# KiCad board Womo.kicad_pcb (continued)
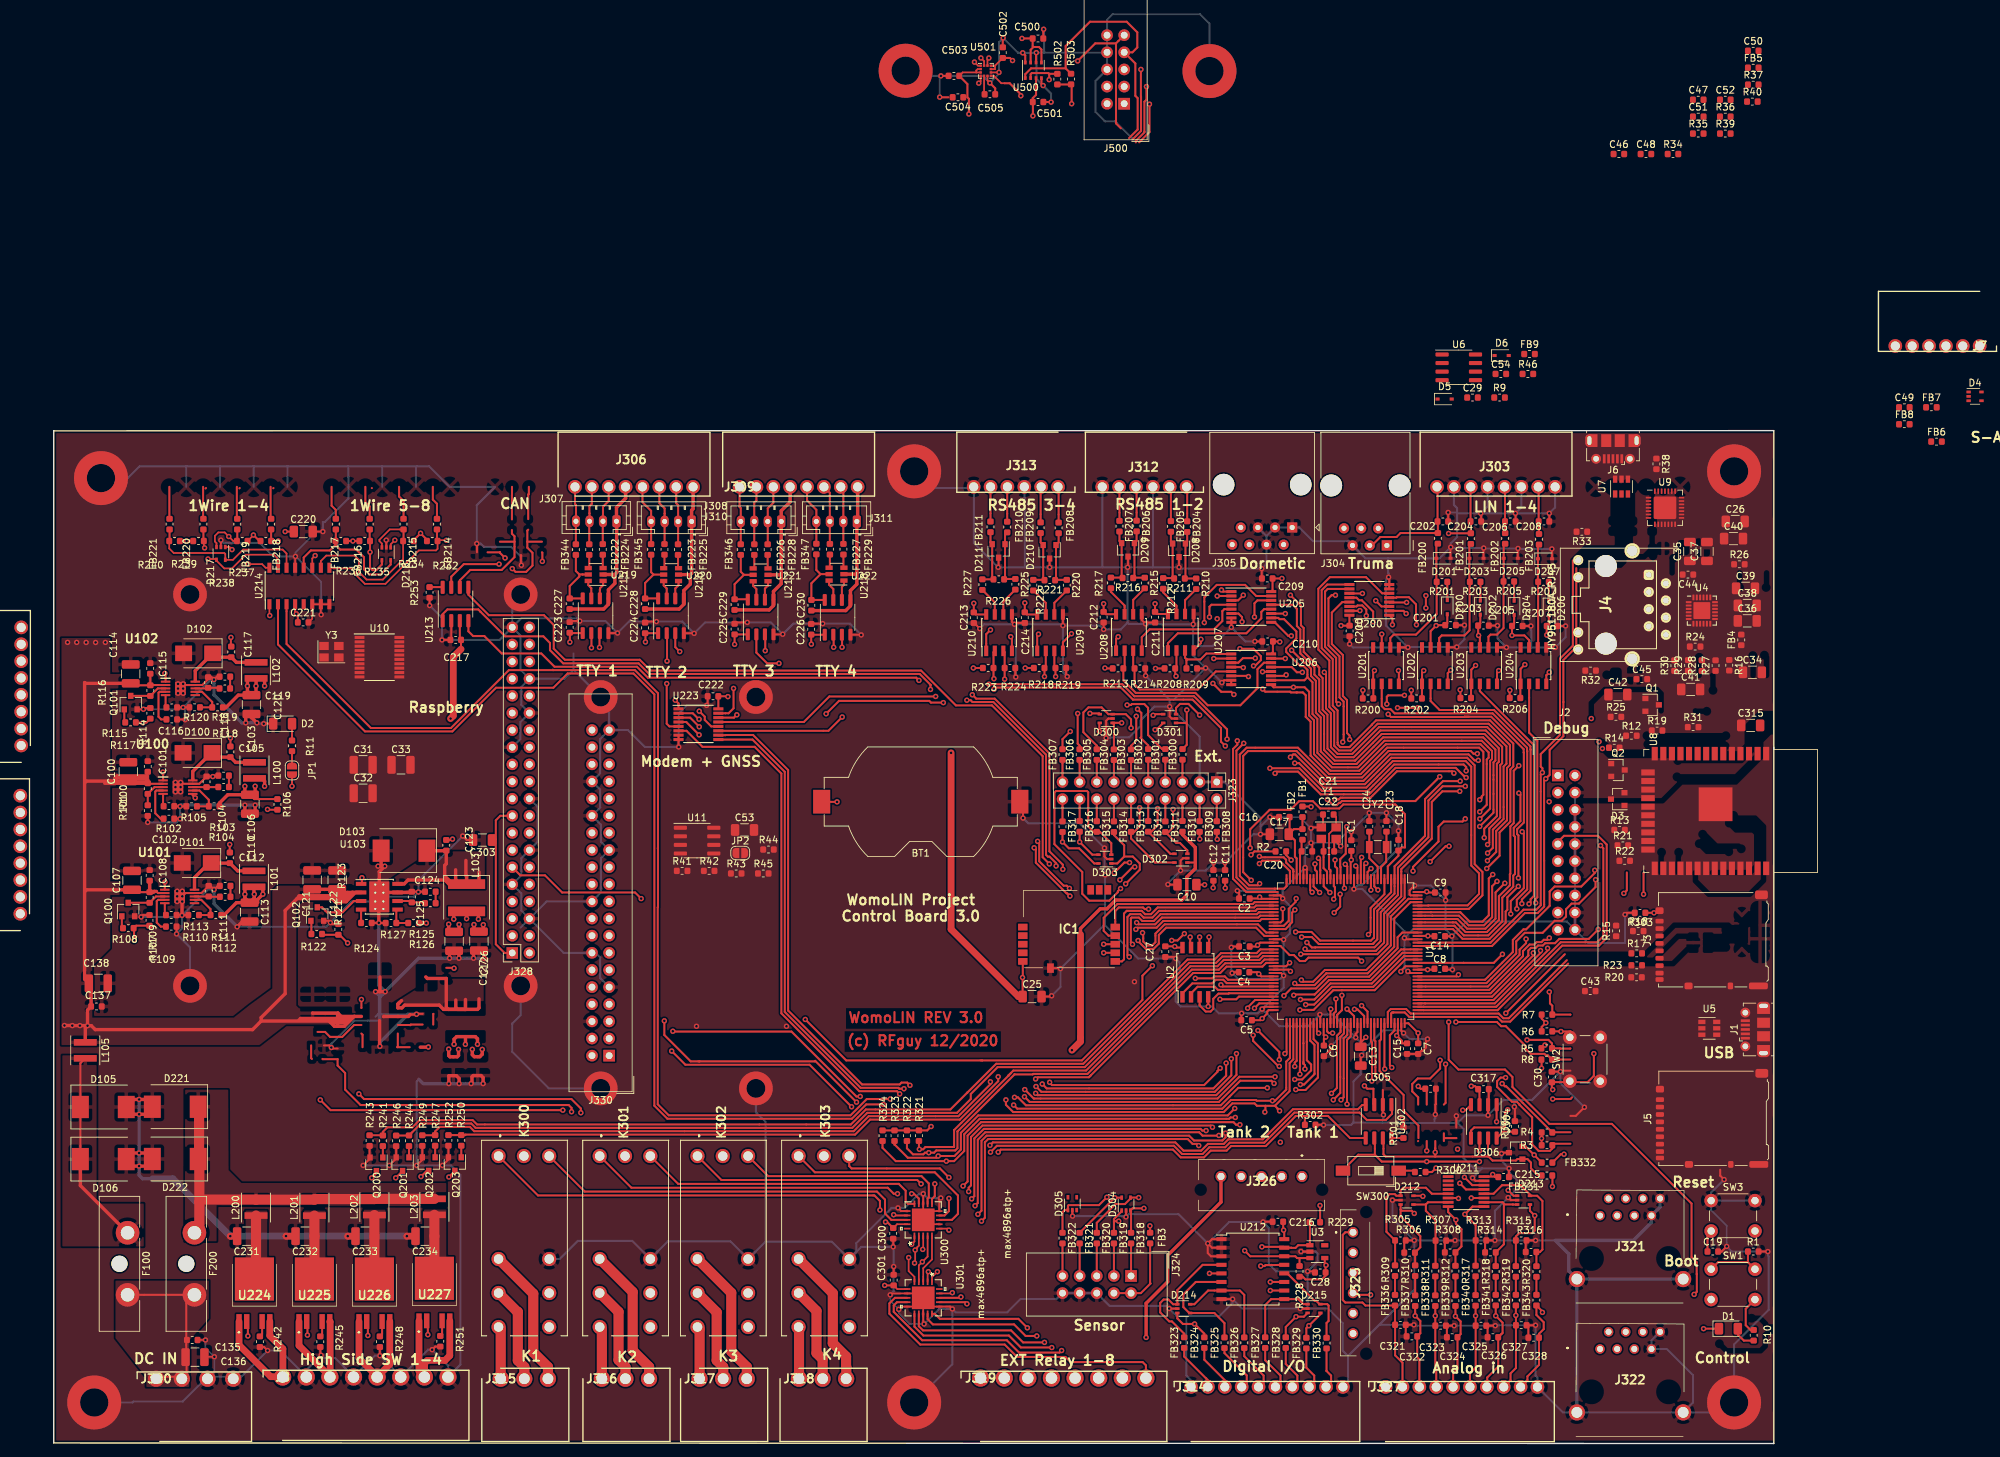
[diagram p0: board, top side]
## Routing (per net, layer and track width the routed paths; a pad name or vN(x,y) marks a point on that pad's centre or on a via; arc(x,y) is an arc through that point) (continued)
REL6: length 32.8
  Top w0.3: U301.11 127.54,17.33 128.87,16 141.54,16 143.31,14.24 147.88,14.24 v3(147.89,14.22)
  In1.Cu w0.3: v3(147.89,14.22) 147.89,13.4 148.4,12.89 150.24,12.89 151.26,11.87 152.75,11.87 154.84,9.78
REL7: length 41.3
  Top w0.3: v3(149.35,13.78) 149.05,13.47 143.05,13.47 141.23,15.3 128.68,15.3 124.47,19.52 124.47,20.46 124.95,20.94 U301.9
  In1.Cu w0.3: v3(149.35,13.78) 150.88,13.78 151.77,12.89 153.54,12.89 154.56,11.87 156.25,11.87 158.34,9.78
REL8: length 47.5
  Top w0.3: 161.84,9.78 161.84,11.58 161.36,12.06 150.69,12.06 149.92,12.83 142.75,12.83 140.91,14.67 128.4,14.67 123.83,19.24 123.83,20.76 124.65,21.59 U301.8
RESET: length 138.9
  Top w0.3: v3(201.42,84.84) 201.42,85.45 205.2,89.23 205.2,91.41 205.98,92.18 208.77,92.18 v3(209.17,92.58) ; v3(183.37,86.47) 182.63,87.21 R2.2 ; v3(189.1,81.66) 188.18,82.58 188.18,83.68 ; v3(189.74,78.68) 190.63,79.57 v3(190.63,81.41) ; SW3.2 245.06,30.96 C19.1
  In1.Cu w0.3: 244.86,82.68 244.86,39.62 247.27,37.21 247.27,33.17 ; 247.27,33.17 248.94,31.5 SW3.2 ; 247.27,33.17 SW3.2 ; v3(189.74,78.68) 188.39,78.68 185.55,81.52 185.55,83.72 183.37,85.9 v3(183.37,86.47) ; v3(189.1,81.66) 189.74,81.66 190.13,81.27 197.29,81.27 200.86,84.84 v3(201.42,84.84) ; v3(209.17,92.58) 210.57,93.98 210.57,94.11 210.83,94.37 211.67,94.37 212.09,93.95 212.09,91.31 214,89.41 214,87.5 221.24,87.5 221.25,87.52 235.22,87.52
RS485_1_A: length 5.1
  Top w0.3: 167.89,141.73 167.96,141.67 FB204.1
RS485_1_B: length 5.1
  Top w0.3: 165.39,141.73 165.54,141.58 FB205.1
RS485_2_A: length 4.5
  Top w0.3: FB206.1 160.46,141.15 160.39,141.22
RS485_2_B: length 4.5
  Top w0.3: FB207.1 157.92,141.19 157.89,141.22
RS485_3_A: length 4.8
  Top w0.3: 148.84,141.22 148.91,141.16 FB208.1
RS485_3_B: length 4.8
  Top w0.3: 146.34,141.22 146.24,141.12 FB209.1
RS485_4_A: length 4.6
  Top w0.3: 141.34,141.22 141.29,141.17 FB210.1
RS485_4_B: length 4.6
  Top w0.3: 138.84,141.22 138.81,141.19 FB211.1
RS485_SEL_A0: length 131.7
  Top w0.3: U206.10 185.33,113.12 185.78,113.57 ; U205.10 181.46,122.36 181.64,122.17 182.31,122.17 184.14,120.34 184.14,119.33 182.63,117.82 182.63,117.32 184.73,115.21 185.23,115.21 185.78,114.66 185.78,113.57 ; 185.78,113.57 186.53,112.82 186.53,108.11 187.25,107.39 187.25,102.37 189.41,100.21 193.25,100.21 197.2,104.16 211.61,104.16 213.13,102.64 213.13,101.44 212.85,101.16 212.85,94.1 v3(211.33,92.58) ; 187.18,62.28 187.18,61.06 v3(187.43,60.81)
  In1.Cu w0.3: v3(211.33,92.58) 210.55,91.81 210.55,89.65 209.09,88.19 209.09,82.26 209.92,81.43 209.92,61.59 209.04,60.71 205.57,60.71 204.69,61.58 201.82,61.58 200.78,60.53 200.78,59.93 200.32,59.47 195.44,59.47 194.75,58.78 193.24,58.78 192.24,57.78 189.35,57.78 187.43,59.7 v3(187.43,60.81)
RS485_SEL_A1: length 122.9
  Top w0.3: v3(183.39,119.7) 182.94,119.7 180.93,121.71 U205.9 ; 188.68,62.28 188.68,61.09 188.94,60.83 v3(189.51,60.83) ; v3(211.31,93.62) 212.35,94.66 212.35,101.36 212.63,101.65 212.63,102.43 211.43,103.63 197.43,103.63 197.41,103.66 193.46,99.71 189.2,99.71 186.75,102.16 186.75,107.19 186.03,107.91 186.03,111.41 185.36,112.08 v3(183.71,112.08) 180.78,112.08 U206.9
  In1.Cu w0.3: v3(211.31,93.62) 210.05,92.37 210.05,92.02 208.59,90.56 208.59,82.06 209.42,81.23 209.42,61.79 208.84,61.21 205.77,61.21 204.9,62.08 199.12,62.08 197.98,60.95 189.62,60.95 v3(189.51,60.83) ; 183.96,112.33 v3(183.71,112.08) 184.28,112.65 184.28,118.81 v3(183.39,119.7)
RS485_SEL_EN: length 130.3
  Top w0.3: v3(177.04,113.66) 176.93,113.77 U206.6 ; 184.15,111.32 185.1,111.32 185.53,110.89 185.53,107.7 186.25,106.98 186.25,101.96 188.99,99.21 193.67,99.21 197.59,103.13 211.22,103.13 211.84,102.51 211.84,96.15 211.6,95.9 211.6,95.7 v3(211.3,95.41) ; 184.15,111.32 184.28,111.32 ; 184.15,111.32 183.33,111.32 183.22,111.42 179.53,111.42 v3(179.13,111.82) ; U205.6 175.56,123.01 176.09,122.48 v3(176.09,121.79) ; 189.18,62.28 189.18,64.34 v3(189.23,64.39)
  In1.Cu w0.3: v3(189.23,64.39) 189.23,62.23 190.01,61.45 197.77,61.45 198.91,62.58 205.1,62.58 205.97,61.71 208.64,61.71 208.92,62 208.92,81.02 208.09,81.85 208.09,94.68 208.55,95.13 209.4,95.13 209.68,95.41 v3(211.3,95.41) ; v3(179.13,111.82) 177.29,113.66 v3(177.04,113.66) 177.04,120.84 v3(176.09,121.79)
RX_LIN1: length 17.4
  Top w0.3: v3(195.52,121.79) 195.52,123.29 193.84,124.97 193.43,124.97 193.05,125.36 U200.12 ; v3(195.71,114.55) 195.52,114.36 U201.1 195.54,112.56 R200.2
  In1.Cu w0.3: v3(195.52,121.79) 195.52,117 195.71,116.81 v3(195.71,114.55)
RX_LIN2: length 22.7
  Top w0.3: U200.14 193.05,124.06 193.2,124.21 193.9,124.21 194.5,123.6 v3(194.5,122.68) ; v3(203.01,114.55) 202.76,114.3 U202.1 202.74,112.57 R202.2
  In1.Cu w0.3: v3(203.01,114.55) 203.01,119.38 201.79,120.6 201.22,120.6 200.41,121.41 199.84,121.41 198.57,122.68 v3(194.5,122.68)
RX_LIN3: length 32.6
  Top w0.3: R204.2 210.02,112.55 U203.1 210.06,114.68 v3(210.69,115.32) ; U200.15 193.51,123.41 v3(193.55,123.44)
  In1.Cu w0.3: v3(193.55,123.44) 194.11,123.44 194.18,123.51 198.69,123.51 199.95,122.25 211.25,122.25 211.89,121.61 211.89,116.51 v3(210.69,115.32)
RX_LIN4: length 41.1
  Top w0.3: v3(218,115.44) 217.36,114.81 U204.1 217.32,112.54 R206.2 ; v3(203.33,123.82) v3(203.33,125.67) ; v3(193.93,125.98) 192.02,125.98 U200.11 191.97,125.98
  In1.Cu w0.3: v3(193.93,125.98) 194.18,126.24 202.76,126.24 v3(203.33,125.67) ; v3(203.33,123.82) 216.66,123.82 218,122.49 v3(218,115.44)
RX_RS485_1: length 19
  Top w0.3: U205.12 179.36,123.66 178.94,123.24 178.94,122.3 176.72,120.08 166.57,120.08 165.1,118.61 U207.1
RX_RS485_2: length 28.4
  Top w0.3: v3(177.93,122.49) 177.93,124.52 178.36,124.96 U205.14 ; v3(157.74,119.57) 157.42,119.25 U208.1
  In1.Cu w0.3: v3(177.93,122.49) 177.8,122.62 173.99,122.62 171.45,120.08 158.24,120.08 v3(157.74,119.57)
RX_RS485_3: length 44.2
  Top w0.3: v3(170.5,121.67) 170.5,125.41 172.34,127.25 176.54,127.25 178.19,125.61 U205.15 ; U209.1 145.73,119.76 v3(145.92,119.95)
  In1.Cu w0.3: v3(170.5,121.67) 170.44,121.73 170.44,121.92 170.13,122.23 147.06,122.23 145.92,121.09 v3(145.92,119.95)
RX_RS485_4: length 50.5
  Top w0.3: v3(138.81,120.59) 138.18,119.95 U210.1 ; v3(182.5,123) 180.42,123 U205.11
  In1.Cu w0.3: v3(138.81,120.59) 143.7,120.59 146.5,123.38 182.12,123.38 v3(182.5,123)
RX_SER_1: length 27.4
  Top w0.3: v3(95.66,108.53) 96.47,107.72 96.47,107.24 97.43,106.28 U223.12 ; U215.3 80.87,120.06 v3(80.87,117.98)
  In1.Cu w0.3: v3(80.87,117.98) 90.55,117.98 93.19,115.34 93.19,111 v3(95.66,108.53)
RX_SER_2: length 21.1
  Top w0.3: v3(101.22,108) 100.8,107.58 U223.14 ; U216.3 92.1,118.03 v3(92.76,117.37)
  In1.Cu w0.3: v3(92.76,117.37) 96.65,117.37 98.96,115.06 98.96,110.26 v3(101.22,108)
RX_SER_3: length 15.5
  Top w0.3: v3(105.44,117.5) 105.44,119.87 U217.3 ; v3(100.74,111.91) 100.74,108.97 100,108.23 99.53,108.23 ; 99.53,108.23 U223.15 ; 99.53,108.23 99.53,108.23
  In1.Cu w0.3: v3(105.44,117.5) 105.44,116.61 v3(100.74,111.91)
RX_SER_4: length 31.4
  Top w0.3: v3(116.84,107.67) 114.8,105.63 U223.11 ; v3(116.82,118.01) 116.82,119.84 U218.3
  In1.Cu w0.3: v3(116.82,118.01) 116.84,117.98 v3(116.84,107.67)
SER_SEL_A0: length 140.6
  Top w0.3: v3(183.88,53.95) 184.99,53.95 186.33,55.29 186.33,56.16 185.68,56.8 185.68,59.52 185.68,62.28 ; v3(180.98,54.36) 175.7,54.36 172.47,51.13 145.22,51.13 v3(143.89,52.45) ; v3(126.87,53.09) 126.47,53.49 125.62,53.49 125.35,53.22 119.78,53.22 108.82,64.17 108.82,99.81 103.63,105 99.56,105 99.53,104.98 U223.10
  In1.Cu w0.3: v3(143.89,52.45) 143.49,52.85 140.48,52.85 140.45,52.82 127.14,52.82 v3(126.87,53.09) ; v3(180.98,54.36) 181.38,53.95 v3(183.88,53.95)
SER_SEL_A1: length 141.4
  Top w0.3: v3(143.85,51.4) 144.62,50.63 172.67,50.63 175.81,53.77 180.43,53.77 v3(180.83,53.37) ; v3(184.73,53.2) 185.28,53.2 186.83,54.74 186.83,59.08 186.18,59.72 186.18,62.28 ; v3(125.99,52.58) 125.29,52.58 125.16,52.72 119.57,52.72 108.32,63.96 108.32,99.55 103.55,104.33 U223.9
  In1.Cu w0.3: v3(184.73,53.2) 181,53.2 v3(180.83,53.37) ; v3(125.99,52.58) 126.26,52.32 142.93,52.32 v3(143.85,51.4)
SER_SEL_EN: length 148.8
  Top w0.3: U223.6 93.76,105.63 96.14,103.25 103.86,103.25 107.82,99.29 107.82,63.75 119.36,52.22 124.95,52.22 v3(125.35,51.82) ; v3(184.05,52.45) 184.11,52.39 185.49,52.39 187.33,54.23 187.33,59.29 186.68,59.93 186.68,62.28 ; v3(142.37,51.31) 142.88,51.31 144.06,50.13 172.95,50.13 175.53,52.7 v3(179.83,52.7)
  In1.Cu w0.3: v3(179.83,52.7) 180.08,52.45 v3(184.05,52.45) ; v3(142.37,51.31) 141.86,51.82 v3(125.35,51.82)
Signal_LED: length 109.8
  Top w0.3: v3(244.48,17.02) D1.1 ; v3(182.12,79.25) 182.12,77.54 181.81,77.23 180.73,77.23 ; v3(206.71,62.46) 206.71,56.87 208.15,55.43 215.05,55.43 216.15,54.32 216.15,52.83 221.62,47.37 230.89,47.37 242.7,35.56 242.7,27.62 243.46,26.86 243.46,25.12 243.48,25.1 243.48,22.5 v3(243.08,22.1)
  In1.Cu w0.3: v3(244.48,17.02) 242.7,18.8 242.7,21.72 v3(243.08,22.1) ; v3(206.71,62.46) 206.09,63.08 196.89,63.08 195.96,64.01 195.96,64.01 187.62,72.35 187.56,72.35 187.56,74.96 184.18,78.35 183.02,78.35 v3(182.12,79.25)
SLP-LIN1: length 116.7
  Top w0.3: 190.68,62.28 190.68,60.98 190.14,60.44 190.14,52.7 v3(189.34,51.89) ; 218.32,102.61 218.35,102.58 ; 218.32,102.61 218.35,102.63 218.35,82.12 216.8,80.58 v3(216.8,79.24) ; 218.32,102.61 218.32,103.1 213.21,108.21 198.72,108.21 198.09,108.84 197.23,108.84 196.79,109.28 U201.2
  In1.Cu w0.3: v3(189.34,51.89) 189.43,51.89 189.72,52.18 215.28,52.18 215.92,52.82 215.92,77.24 216.8,78.12 v3(216.8,79.24)
SLP-LIN2: length 111.5
  Top w0.3: v3(217.55,80.01) 217.55,80.62 218.85,81.91 218.85,102.85 218.82,102.87 218.82,103.31 213.42,108.71 205.36,108.71 204.03,110.05 U202.2 ; v3(189.61,50.93) 190.64,51.96 190.64,60.23 191.18,60.77 191.18,62.28
  In1.Cu w0.3: 217.25,77.43 217.25,77.44 ; 217.25,77.43 217.55,77.72 v3(217.55,80.01) ; 217.25,77.43 216.42,76.6 216.42,52.61 215.36,51.55 191.28,51.55 191.15,51.68 190.36,51.68 v3(189.61,50.93)
SLP-LIN3: length 103
  Top w0.3: v3(190.75,50.93) 191.14,51.32 191.14,60.02 191.68,60.56 191.68,62.28 ; v3(218.61,79.97) 218.85,80.21 218.85,80.66 219.35,81.16 219.35,103.49 211.33,111.51 U203.2
  In1.Cu w0.3: v3(190.75,50.93) 191.17,50.93 191.29,51.05 215.57,51.05 216.92,52.4 216.92,76.05 218.37,77.49 218.37,79.74 v3(218.61,79.97)
SLP-LIN4: length 100.7
  Top w0.3: v3(219.6,80.14) 219.6,80.7 219.85,80.95 219.85,104.13 218.63,105.35 U204.2 ; 192.18,62.28 192.18,60.36 191.64,59.82 v3(191.64,50.29)
  In1.Cu w0.3: v3(219.6,80.14) 219.46,80 219.46,77.47 217.43,75.44 217.43,52.2 215.77,50.55 191.9,50.55 v3(191.64,50.29)
SLP-LIN5: length 19.5
  Top w0.3: 202.22,45.26 202.22,47.12 200.03,49.31 200.03,51.66 196.47,55.21 196.47,59.68 196.68,59.9 196.68,62.28
SPI1_MISO: length 34.3
  Top w0.3: v3(159.38,72.12) 159.11,72.39 159.11,78.03 159.52,78.45 161.01,78.45 161.51,77.95 162.8,77.95 163.8,78.95 178.09,78.95 178.37,79.23 180.73,79.23 ; v3(155.58,72.73) IC1.8
  In1.Cu w0.3: v3(155.58,72.73) 158.77,72.73 v3(159.38,72.12)
SPI1_MOSI: length 31.9
  Top w0.3: 180.73,78.73 178.58,78.73 178.29,78.45 164.01,78.45 163.01,77.45 161.3,77.45 160.8,77.95 159.73,77.95 159.61,77.83 159.61,74.23 v3(159.86,73.98) ; v3(155.58,74) IC1.9
  In1.Cu w0.3: v3(155.58,74) 155.6,73.98 v3(159.86,73.98)
SPI1_NSS: length 30.1
  Top w0.3: IC1.10 156.3,75.27 155.59,75.98 155.59,77.92 157.62,79.95 177.67,79.95 177.96,80.23 180.73,80.23
SPI1_SCK: length 31.3
  Top w0.3: IC1.7 158.3,71.46 158.59,71.75 158.59,78.54 159,78.95 161.21,78.95 161.71,78.45 162.6,78.45 163.6,79.45 177.88,79.45 178.16,79.73 180.73,79.73
SPI2_MISO: length 43.3
  Top w0.3: 202.13,68.23 212.31,68.23 216.72,72.64 216.72,74.42 217.99,75.69 220.63,75.69 222.41,77.47 223.46,77.47 224.1,78.11 224.1,79.19 224.92,80.02 226.01,80.02 228.47,82.48 v3(228.47,83.57)
  In1.Cu w0.3: v3(228.47,83.57) 236.73,83.57
SPI2_MOSI: length 42.7
  Top w0.3: v3(228.35,84.96) 228.35,84.55 226.35,82.55 222.41,82.55 221.67,81.81 221.67,79.69 218.18,76.2 217.79,76.2 216.22,74.63 216.22,72.85 212.1,68.73 202.13,68.73
  In1.Cu w0.3: v3(228.35,84.96) 235.59,84.96
SPI2_NSS: length 43.2
  Top w0.3: 235.65,84.62 235.59,84.56 v3(235.59,81.41) ; v3(228.87,76.2) 227.46,74.79 223.11,74.79 222.47,74.15 221.01,74.15 220.66,73.81 219.96,73.81 219.6,73.45 218.9,73.45 218.51,73.06 218.51,72.34 218.52,72.33 212.93,66.73 202.13,66.73
  In1.Cu w0.3: v3(235.59,81.41) 234.08,81.41 v3(228.87,76.2)
SPI2_SCK: length 40.7
  Top w0.3: 233.11,84.62 233.11,81.98 v3(232.67,81.53) ; 202.13,67.23 212.72,67.23 217.72,72.23 217.72,72.98 218.69,73.95 219.4,73.95 219.75,74.31 220.46,74.31 220.8,74.65 221.34,74.65 v3(221.62,74.93)
  In1.Cu w0.3: v3(221.62,74.93) 222.02,74.53 226.04,74.53 232.67,81.15 v3(232.67,81.53)
SPI3_MISO: length 110.8
  Top w0.25: U301.5 127.54,24.7 126.68,25.56 v3(126.68,27.56)
  Top w0.3: 202.13,72.23 200.08,72.23 195.53,67.68 189.4,67.68 186.77,65.05 v3(185.51,65.05) ; v3(136.53,35.24) 136.93,35.64 136.93,45.01 138.04,46.12 169.74,46.12 170.24,45.62 172.63,45.62 v3(172.66,45.66)
  In1.Cu w0.3: v3(185.51,65.05) 184.34,65.05 183.17,63.88 183.17,62.46 172.74,52.03 172.74,48.85 172.96,48.63 172.96,46.31 172.66,46.01 v3(172.66,45.66) ; v3(126.68,27.56) 127.65,27.56 128.1,28.02 129.11,28.02 130.14,29.04 134.16,29.04 136.19,31.07 136.19,34.91 v3(136.53,35.24)
SPI3_MOSI: length 106.4
  Top w0.25: v3(128.77,28.77) 128.84,28.84 U300.3
  Top w0.3: v3(170.76,46.37) 170.2,46.37 169.95,46.62 137.83,46.62 136.42,45.21 136.42,36.66 v3(136.02,36.26) ; v3(184.74,65.8) 186.82,65.8 189.2,68.18 195.33,68.18 199.87,72.73 202.13,72.73
  In1.Cu w0.3: v3(136.02,36.26) 135.69,35.93 135.69,31.28 133.96,29.54 129.54,29.54 v3(128.77,28.77) ; v3(184.74,65.8) 184.18,65.8 182.67,64.29 182.67,62.66 172.24,52.24 172.24,48.64 172.46,48.43 172.46,46.51 172.07,46.12 171.01,46.12 v3(170.76,46.37)
SPI3_NSS: length 114
  Top w0.25: U301.2 129.49,25.35 v3(129.6,25.46) ; v3(127.56,26.75) 127.65,26.84 v3(127.65,28.68) 127.96,28.98 127.96,29.09 128.19,29.32 U300.2
  Top w0.3: 202.13,73.23 199.67,73.23 195.12,68.68 188.99,68.68 186.84,66.53 186.82,66.55 183.87,66.55 v3(183.75,66.43) ; v3(135.57,37.34) 135.57,37.9 135.92,38.25 135.92,45.42 137.62,47.12 171.46,47.12 v3(171.7,46.88)
  In1.Cu w0.25: v3(129.6,25.46) 128.84,25.46 v3(127.56,26.75)
  In1.Cu w0.3: v3(183.75,66.43) 182.17,64.85 182.17,62.87 171.74,52.44 171.74,47.48 171.7,47.44 v3(171.7,46.88) ; v3(135.57,37.34) 135.19,36.96 135.19,31.49 133.75,30.04 128.6,30.04 128.05,29.5 128.05,29.08 v3(127.65,28.68)
SPI3_SCK: length 112.6
  Top w0.25: U301.4 128.19,26.4 v3(128.72,26.92) 129.49,27.7 U300.4
  Top w0.3: v3(173.64,45.99) 173.64,45.37 173.18,44.91 168.96,44.91 168.24,45.62 138.24,45.62 137.48,44.86 137.48,34.51 v3(136.94,33.97) ; v3(184.66,64.26) 186.69,64.26 189.6,67.17 190.87,67.17 190.88,67.18 195.74,67.18 200.29,71.73 202.13,71.73
  In1.Cu w0.3: v3(128.72,26.92) 129.12,27.32 129.12,27.32 130.34,28.54 134.37,28.54 136.69,30.87 136.69,33.72 v3(136.94,33.97) ; v3(184.66,64.26) 183.67,63.27 183.67,62.25 173.24,51.82 173.24,49.06 173.46,48.84 173.46,46.74 173.46,46.74 173.64,46.56 v3(173.64,45.99)
SPI3_SOSI: length 7.3
  Top w0.25: U301.3 128.84,25.98 130.14,27.28 U300.5
STB-CAN: length 176.9
  Top w0.3: 62.11,125.12 62.1,125.12 ; 62.11,125.12 64.47,122.76 72.65,122.76 74.09,121.31 74.09,117.81 75.74,116.15 86.84,116.15 88.44,114.55 128.52,114.55 133.69,109.39 139.03,109.39 146.54,101.87 146.54,86.89 v3(147.53,85.9) ; 62.11,125.12 62.11,125.14 61.44,125.81 U213.5 ; v3(192.75,64.35) 193.19,64.35 194.18,63.36 194.18,62.28
  In1.Cu w0.3: 191.37,67.04 191.23,67.18 ; 191.37,67.04 192.75,65.66 v3(192.75,64.35) ; 191.37,67.04 186.56,71.85 186.56,74.55 184.91,76.2 184.75,76.2 184.38,76.57 183.98,76.57 183.61,76.94 174.2,76.94 174.18,76.95 173.95,76.95 172.58,78.32 162,78.32 160.72,79.6 160.72,83.54 157.91,86.35 147.99,86.35 v3(147.53,85.9)
STB-CTRL: length 0
  Top w0.3: 202.16,44.81 202.19,44.83
STB_RASPI_CTRL: length 162
  Top w0.3: 194.41,45.28 194.11,45.28 194.11,45.28 192.09,45.28 188.82,48.54 185.42,48.54 ; v3(91.57,58.17) 93.6,56.13 112,56.13 v3(118.23,49.91) ; 185.4,47.23 185.4,48.51 185.42,48.54 ; 185.42,48.54 184.05,48.54 179.59,44.08 174.48,44.08 173.8,43.41 171.45,43.41 170.45,42.41 167,42.41 165.85,43.56 140.34,43.56 v3(139.95,43.18) ; J328.11 69.15,84.21 72.79,84.21 75.33,81.67 86.14,81.67 v3(87.05,80.76)
  In1.Cu w0.3: v3(139.95,43.18) 139.2,42.43 138.29,42.43 132.21,48.51 119.63,48.51 v3(118.23,49.91) ; v3(87.05,80.76) 87.86,79.95 87.86,67.07 92.81,62.12 92.81,59.98 91.57,58.73 v3(91.57,58.17)
TTY_RX_1: length 8.8
  Top w0.3: FB224.1 81.36,136.65 81.39,136.68 81.39,138.84 82.24,139.69 82.24,141.78
TTY_RX_2: length 8.6
  Top w0.3: FB225.1 92.52,133.29 92.52,136.65 92.52,139.08 92.24,139.36 92.24,141.78
TTY_RX_3: length 8.9
  Top w0.3: 106.63,141.78 106.63,139.42 105.8,138.59 105.8,136.65 105.8,133.29 FB228.1 ; 105.87,141.56 105.82,141.6
TTY_RX_4: length 8.7
  Top w0.3: 116.63,141.78 117.01,141.4 117.01,136.65 117.01,133.34 FB229.1 ; 115.91,141.53 115.82,141.6
TTY_TX_1: length 8.7
  Top w0.3: FB222.1 79.35,136.64 79.39,136.68 79.39,137.85 79.38,137.87 79.38,138.91 79.74,139.28 79.74,141.78
TTY_TX_2: length 8.8
  Top w0.3: 89.74,141.78 89.74,139.37 90.53,138.58 90.53,137.83 90.52,137.83 90.52,136.65 90.52,133.32 FB223.1
TTY_TX_3: length 8.6
  Top w0.3: FB226.1 103.8,133.28 103.8,136.65 103.8,139.44 104.13,139.76 104.13,141.78
TTY_TX_4: length 8.9
  Top w0.3: 113.3,141.58 113.32,141.6 ; 114.13,141.78 115.01,140.9 115.01,136.65 115.01,133.33 FB227.1
TX_LIN1: length 10.8
  Top w0.3: v3(198.38,121.35) 198.38,122.28 U200.1 ; v3(199.26,114.55) 199.33,114.49 U201.4
  In1.Cu w0.3: v3(199.26,114.55) 199.26,120.46 v3(198.38,121.35)
TX_LIN2: length 20.6
  Top w0.3: U200.5 198.95,125.36 199.02,125.43 200.8,125.43 201.87,124.36 201.87,121.98 201.93,121.91 v3(201.93,121.35) ; U202.4 206.57,114.17 v3(207.01,114.62)
  In1.Cu w0.3: v3(207.01,114.62) 207.01,119.82 206.44,120.4 202.88,120.4 v3(201.93,121.35)
TX_LIN3: length 25.6
  Top w0.3: U200.2 200,123.41 v3(200.41,123) ; v3(214.12,114.55) 213.87,114.3 U203.4
  In1.Cu w0.3: v3(214.12,114.55) 212.79,115.89 212.79,122.11 211.9,123 v3(200.41,123)
TX_LIN4: length 34
  Top w0.3: v3(221.62,114.3) 221.17,113.86 U204.4 ; U200.4 197.95,124.65 v3(200.47,124.65)
  In1.Cu w0.3: v3(221.62,114.3) 220.16,115.76 220.16,122.68 218.19,124.65 v3(200.47,124.65)
TX_RS485_1: length 12.9
  Top w0.3: U205.1 173.28,126.26 v3(173.04,126.5) ; 168.91,117.54 169.99,118.62 v3(169.99,119.19)
  In2.Cu w0.3: v3(173.04,126.5) 172.19,126.5 171.58,125.89 171.58,124.27 169.75,122.44 169.75,119.43 v3(169.99,119.19)
TX_RS485_2: length 17.9
  Top w0.3: U205.5 173.46,123.66 173.17,123.37 173.17,121.89 171.94,120.66 162.38,120.66 161.23,119.51 U208.4
TX_RS485_3: length 31.4
  Top w0.3: v3(172.4,125.6) 172.41,125.61 U205.2 ; U209.4 149.54,118.75 v3(150.81,120.01)
  In1.Cu w0.3: v3(172.4,122.24) 172.34,122.24 170.75,120.65 157.29,120.65 156.26,119.62 151.21,119.62 v3(150.81,120.01)
  In2.Cu w0.3: v3(172.4,122.24) v3(172.4,125.6)
TX_RS485_4: length 38
  Top w0.3: U205.4 171.55,124.31 171.26,124.02 v3(171.26,122.49) ; v3(141.81,119.57) 141.99,119.39 141.99,117.47
  In1.Cu w0.3: v3(141.81,119.57) 143.57,119.57 146.81,122.81 170.94,122.81 v3(171.26,122.49)
TX_SER_1: length 21.7
  Top w0.3: v3(79.68,117.93) 79.68,120.08 U215.2 ; U223.1 92.58,109.68 v3(92.1,110.16)
  In1.Cu w0.3: v3(79.68,117.93) 80.57,117.04 88.9,117.04 89.61,116.33 89.61,112.17 91.22,110.56 91.7,110.56 v3(92.1,110.16)
TX_SER_2: length 15.4
  Top w0.3: U223.5 91.23,106.28 90.83,106.68 v3(90.83,112.62) ; v3(90.88,115.95) 90.88,120.04 U216.2
  In1.Cu w0.3: v3(90.83,112.62) 90.83,115.9 v3(90.88,115.95)
TX_SER_3: length 31
  Top w0.3: U223.2 94.69,108.23 95.58,107.34 v3(95.63,107.34) ; v3(107.47,115.62) 105.72,115.62 104.12,117.22 U217.2
  In1.Cu w0.3: v3(107.47,115.62) 107.47,107.85 105.66,106.04 96.93,106.04 v3(95.63,107.34)
TX_SER_4: length 36.9
  Top w0.3: U218.2 115.57,119.82 v3(115.57,118.01) ; v3(95.63,105.03) 93.73,106.93 93.64,106.93 93.63,106.93 U223.4
  In1.Cu w0.3: v3(95.63,105.03) 112.62,105.03 115.57,107.98 v3(115.57,118.01)
UART4_RX_GSM: length 127.4
  Top w0.3: v3(157.98,83.54) 159.91,85.46 v3(160.18,85.46) ; 183.18,83.68 183.18,84.55 183.18,84.55 183.18,84.83 181.63,86.38 179.09,86.38 v3(178.66,85.95)
  In1.Cu w0.3: v3(160.18,85.46) 160.57,85.85 170.03,85.85 171.03,84.85 177.56,84.85 v3(178.66,85.95) ; v3(157.98,83.54) 157.47,83.02 148.26,83.02 146.72,84.56 145.78,84.56 138.78,91.56 94.53,91.56 85.49,82.52 85.49,71.35 83,68.86 80.97,68.86 J330.10
UART4_TX_GSM: length 134.3
  Top w0.3: v3(157.15,84.6) 158.65,86.1 v3(159.42,86.1) ; 183.68,84.76 183.68,84.82 183.68,84.82 183.68,85.04 182.62,86.11 182.62,86.51 182.24,86.88 178.78,86.88 v3(178.65,87.01) ; 183.68,84.76 183.68,84.76 ; 183.68,84.76 183.68,83.68
  In1.Cu w0.3: v3(157.15,84.6) 157.15,84.03 156.64,83.52 148.47,83.52 146.77,85.22 145.82,85.22 138.99,92.06 94.32,92.06 84.99,82.73 84.99,73.62 82.8,71.42 79.21,71.42 78.14,70.35 78.14,66.73 J330.8 ; v3(178.65,87.01) 177,85.35 171.23,85.35 170.23,86.35 159.67,86.35 v3(159.42,86.1)
USART1_RX_LIN5: length 62.3
  Top w0.3: 202.19,50.23 202.19,51.31 201.31,52.18 201.31,53.29 202.12,54.1 203.96,54.1 205.44,55.58 v3(205.44,56.8) ; 202.13,78.23 204.29,78.23 204.29,78.23 208.23,78.23 209.66,76.8 211.95,76.8 213.15,78 213.15,82.59 v3(213.87,83.31)
  In1.Cu w0.3: v3(213.87,83.31) 213.42,82.87 213.42,57.21 212.85,56.64 207.14,56.64 206.58,57.2 205.84,57.2 v3(205.44,56.8)
USART1_TX_LIN5: length 59.5
  Top w0.3: v3(206.25,56.22) 206.25,50.48 206,50.23 ; 202.13,77.73 204.73,77.73 208.02,77.73 209.45,76.3 212.16,76.3 213.65,77.79 213.65,81.67 v3(215.03,83.04)
  In1.Cu w0.3: v3(215.03,83.04) 213.92,81.94 213.92,56.7 213.2,55.97 206.5,55.97 v3(206.25,56.22)
USART2_RX_LIN: length 67.7
  Top w0.3: v3(192.03,104.34) 192.03,104.91 191.64,105.3 191.64,110.17 191.03,110.78 191.03,116.85 189.39,118.49 189.39,123.15 190.95,124.71 U200.13 ; 180.73,81.73 176.72,81.73 174.75,83.69 174.75,102.94 175.39,103.57 v3(175.39,104.14)
  In1.Cu w0.3: v3(175.39,104.14) 175.96,104.71 191.66,104.71 v3(192.03,104.34)
USART2_TX_LIN: length 76.8
  Top w0.3: U200.3 196.75,124.06 v3(195.9,124.9) ; 182.68,83.68 182.68,82.61 182.31,82.23 180.94,82.23 176.92,82.23 175.25,83.9 175.25,102.69 v3(176.34,103.77) ; v3(191.01,103.96) 191.14,104.1 191.14,109.96 190.53,110.58 190.53,116.65 188.89,118.29 188.89,125.26 189.36,125.73 v3(189.93,125.73)
  In1.Cu w0.3: v3(191.01,103.96) 190.76,104.21 176.73,104.21 176.59,104.07 176.59,104.02 v3(176.34,103.77) ; v3(195.9,124.9) 190.75,124.9 v3(189.93,125.73)
USART3_RX_SER: length 111.9
  Top w0.3: v3(136.12,110.97) 136.7,110.39 139.44,110.39 147.54,102.29 147.54,87.77 149.53,85.79 v3(149.53,85.1) ; v3(160.36,76.2) 160.6,76.45 163.42,76.45 164.42,77.45 178.71,77.45 178.99,77.73 180.73,77.73 ; v3(130.68,110.72) 114.94,110.72 111.15,106.93 99.54,106.93 99.53,106.93 U223.13
  In1.Cu w0.3: v3(160.36,76.2) 159.72,76.84 159.72,83.1 159.72,83.1 159.72,83.12 157.49,85.35 149.78,85.35 v3(149.53,85.1) ; v3(130.68,110.72) 131.08,111.12 135.97,111.12 v3(136.12,110.97)
USART3_TX_SER: length 118
  Top w0.3: v3(160.47,77.2) 160.72,76.95 163.22,76.95 164.22,77.95 178.5,77.95 178.78,78.23 180.73,78.23 ; v3(114.45,108.15) 116.36,110.06 129.74,110.06 130,109.8 v3(131.83,109.8) ; v3(148.54,85.6) 148.54,86.01 147.57,86.97 147.32,86.97 147.04,87.25 147.04,102.08 139.23,109.89 136.14,109.89 135.87,110.16 v3(135.31,110.16) ; U223.3 94.3,107.58 v3(95.66,106.22)
  In1.Cu w0.3: v3(131.83,109.8) 134.95,109.8 v3(135.31,110.16) ; v3(95.66,106.22) 96.34,105.54 111.84,105.54 v3(114.45,108.15) ; v3(160.47,77.2) 160.47,79.15 160.22,79.39 160.22,83.33 157.7,85.85 148.79,85.85 v3(148.54,85.6)
USB_D+: length 31.9
  Top w0.3: 224.41,71.12 215.82,62.53 214.61,62.53 213.92,63.22 200.87,63.22 200.2,63.89 198.51,63.89 198.5,63.88 198.32,63.88 198.18,63.74 198.18,62.28
USB_D-: length 32.5
  Top w0.3: 197.68,62.28 197.68,63.95 198.12,64.39 200.41,64.39 201.08,63.72 214.12,63.72 214.81,63.03 215.61,63.03 224.21,71.63
USB_ID: length 45.6
  Top w0.3: 223.92,72.52 v3(215.17,63.78) ; v3(197.23,55.51) 197.18,55.56 197.18,62.28
  In1.Cu w0.3: v3(215.17,63.78) 215.17,55.79 214.36,54.97 197.77,54.97 v3(197.23,55.51)
uSD_CLK: length 45.8
  Top w0.3: v3(219.26,72.7) 219.26,72.35 213.14,66.23 202.13,66.23 ; 225,51.31 224.75,51.05 v3(222.12,51.05)
  In1.Cu w0.3: v3(222.12,51.05) 219.26,53.92 v3(219.26,72.7)
uSD_CMD: length 42.2
  Top w0.3: v3(218.18,74.77) 218.18,74.16 217.22,73.2 217.22,72.43 212.51,67.73 202.13,67.73 ; 224.75,58.56 224.71,58.52 223.24,58.52 223.19,58.57 R5.2 222.02,59.28 221.49,59.82 v3(218.31,59.82)
  In1.Cu w0.3: v3(218.18,74.77) 218.18,74.05 218.21,74.02 218.21,59.92 v3(218.31,59.82)
uSD_D0: length 41.2
  Top w0.3: v3(195.33,53.72) 195.35,53.75 195.35,59.42 195.18,59.59 195.18,62.28 ; v3(214.63,53.34) 215.03,52.94 215.22,52.94 217.7,50.47 217.7,50.46 R4.2 222.09,46.13 224.75,46.13
  In1.Cu w0.3: v3(195.33,53.72) 214.25,53.72 v3(214.63,53.34)